# KiCad board panel_r0.1.kicad_pcb (continued)
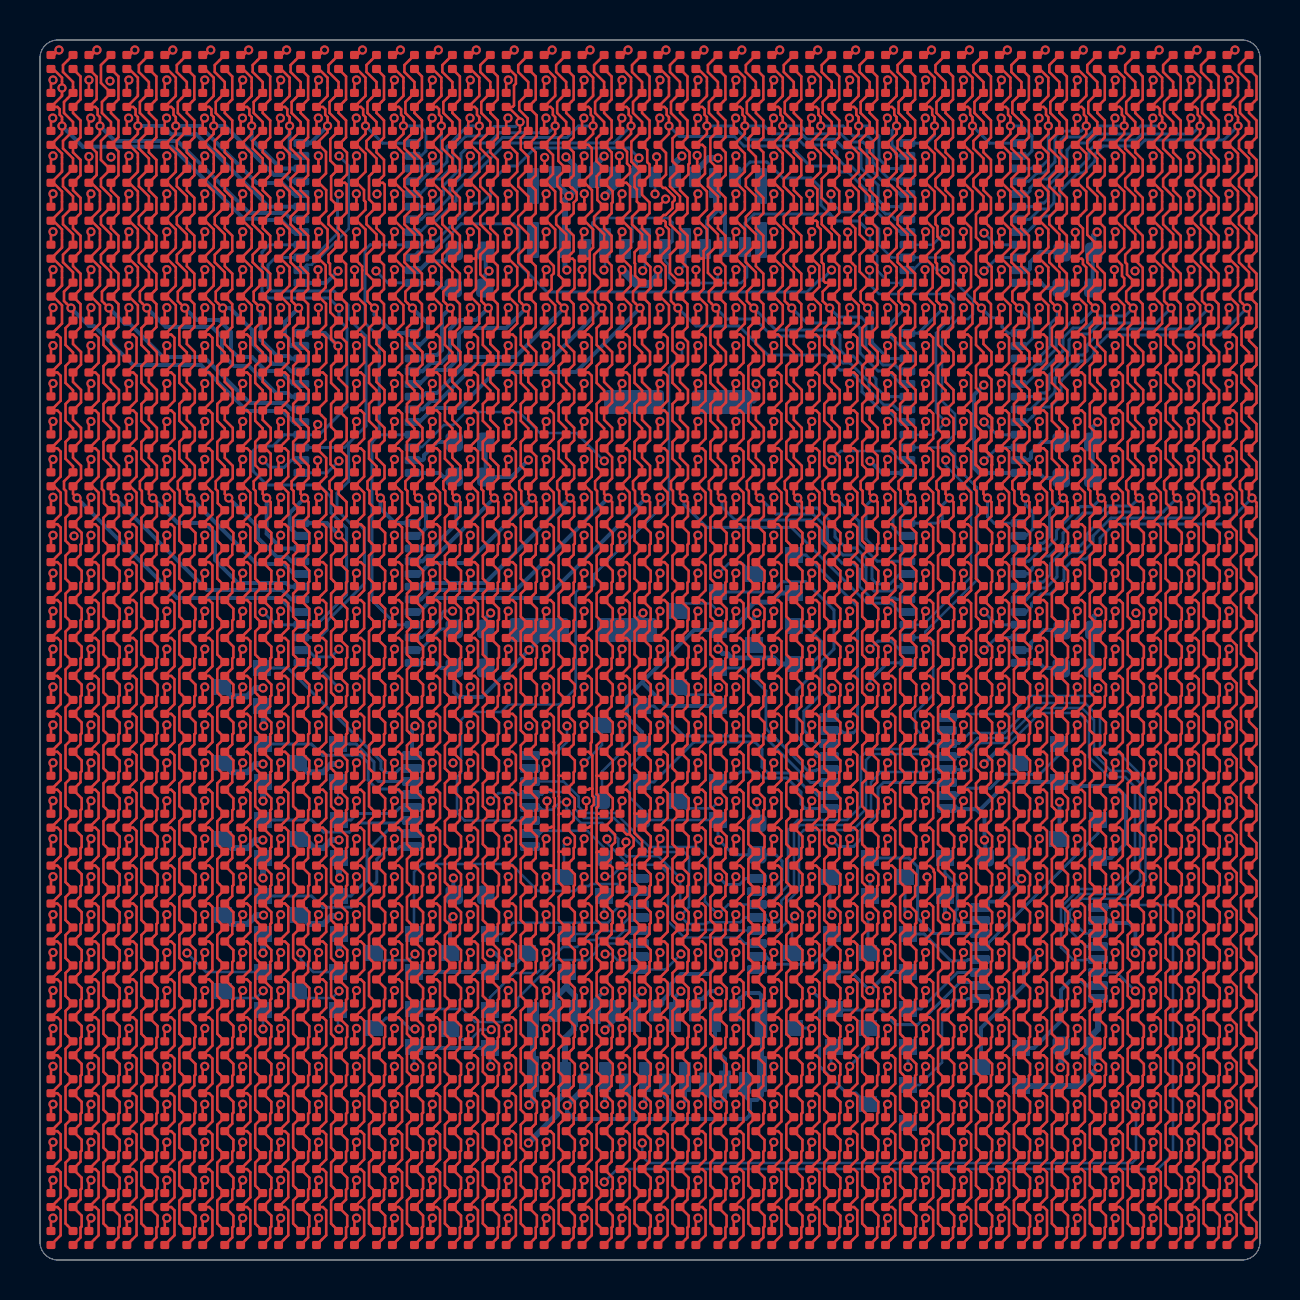
[diagram p0: board, top side]
## Routing (per net, layer and track width the routed paths; a pad name or vN(x,y) marks a point on that pad's centre or on a via; arc(x,y) is an arc through that point) (continued)
COL_RA1: length 80.9
  Top w0.127: D994.2 3.17,1.82 3.17,2.97 D962.2 3.17,3.72 3.17,4.87 D930.2 3.17,5.62 3.17,6.77 D898.2 3.17,7.51 3.17,8.66 D866.2 3.17,9.41 3.17,10.56 D834.2 3.17,11.31 3.17,12.46 D802.2 3.17,13.2 3.17,14.35 D770.2 3.17,15.1 3.17,16.25 D738.2 3.17,17 3.17,18.15 D706.2 3.17,18.89 3.17,20.04 D674.2 3.17,20.79 3.17,21.94 D642.2 3.17,22.69 3.17,23.84 D610.2 3.17,24.58 3.17,25.73 D578.2 3.17,26.48 3.17,27.63 D546.2 3.17,28.38 3.17,29.53 D514.2 3.17,30.27 3.17,31.42 D482.2 3.17,32.17 3.17,33.32 D450.2 3.17,34.07 3.17,35.22 D418.2 3.17,35.96 3.17,37.11 D386.2 3.2,37.84 3.2,38.45 3.1,38.55 3.1,38.93 D354.2 3.55,39.69 3.17,40.06 3.17,40.91 D322.2 3.55,41.58 3.17,41.96 3.17,42.8 D290.2 3.55,43.48 3.17,43.85 3.17,44.7 D258.2 3.55,45.38 3.17,45.75 3.17,46.6 D226.2 3.55,47.5 v1(3.45,47.6) 3.1,47.95 3.1,48.42 D194.2 3.55,49.39 3.05,49.89 3.05,50.26 D162.2 3.55,51.28 3.05,51.78 3.05,52.16 D130.2 3.55,53.18 3.05,53.68 3.05,54.06 D98.2 3.49,54.56 3.05,55 3.05,55.95 D66.2 3.55,56.9 3.1,57.35 3.1,57.9 D34.2 3.05,58.85 3.05,59.75 D2.2
  Bottom w0.2: v1(3.45,47.6) 4.25,46.8 4.5,46.8 6.15,45.15 8.19,45.15 10.49,42.85 12.25,42.85 12.57,42.53 U7.6
COL_RA2: length 79.2
  Top w0.127: D3.2 4.94,59.75 4.94,59.4 5.44,58.9 5.44,58.66 5.44,58.65 D35.2 4.99,57.9 4.99,57.35 5.44,56.9 D67.2 4.94,55.95 4.94,55.58 5.44,55.08 D99.2 4.94,54.06 4.94,53.68 5.44,53.18 D131.2 4.94,52.16 4.94,51.78 5.44,51.28 D163.2 4.94,50.26 4.94,49.89 5.44,49.39 D195.2 4.99,48.42 4.99,47.95 v1(5.34,47.6) 5.44,47.5 D227.2 5.07,46.6 5.07,45.75 5.44,45.38 D259.2 5.07,44.7 5.07,43.85 5.44,43.48 D291.2 5.07,42.8 5.07,41.96 5.44,41.58 D323.2 5.07,40.91 5.07,40.06 5.44,39.69 D355.2 4.99,38.93 4.99,38.55 5.09,38.45 5.09,37.84 D387.2 5.07,37.11 5.07,35.96 D419.2 5.07,35.22 5.07,34.07 D451.2 5.07,33.32 5.07,32.17 D483.2 5.07,31.42 5.07,30.27 D515.2 5.07,29.53 5.07,28.38 D547.2 5.07,27.63 5.07,26.48 D579.2 5.07,25.73 5.07,24.58 D611.2 5.07,23.84 5.07,22.69 D643.2 5.07,21.94 5.07,20.79 D675.2 5.07,20.04 5.07,18.89 D707.2 5.07,18.15 5.07,17 D739.2 5.07,16.25 5.07,15.1 D771.2 5.07,14.35 5.07,13.2 D803.2 5.07,12.46 5.07,11.31 D835.2 5.07,10.56 5.07,9.41 D867.2 5.07,8.66 5.07,7.51 D899.2 5.07,6.77 5.07,5.62 D931.2 5.07,4.87 5.07,3.72 D963.2 5.07,2.97 5.07,1.82 D995.2
  Bottom w0.2: v1(5.34,47.6) 6.29,46.65 8.6,46.65 9.1,46.15 9.1,45.3 9.7,44.7 10.45,44.7 11.8,43.35 12.39,43.35 12.57,43.17 U7.7
COL_RA3: length 77.1
  Top w0.127: D4.2 6.84,59.75 6.84,59.4 7.34,58.9 7.34,58.66 7.34,58.65 D36.2 6.89,57.9 6.89,57.35 7.34,56.9 D68.2 6.84,55.95 6.84,55.58 7.34,55.08 D100.2 6.84,54.06 6.84,53.68 7.34,53.18 D132.2 6.84,52.16 6.84,51.78 7.34,51.28 D164.2 6.84,50.26 6.84,49.89 7.34,49.39 D196.2 6.89,48.42 6.89,47.95 v1(7.24,47.6) 7.34,47.5 D228.2 6.97,46.6 6.97,45.75 7.34,45.38 D260.2 6.97,44.7 6.97,43.85 7.34,43.48 D292.2 6.97,42.8 6.97,41.96 7.34,41.58 D324.2 6.97,40.91 6.97,40.06 7.34,39.69 D356.2 6.89,38.93 6.89,38.55 6.99,38.45 6.99,37.84 D388.2 6.97,37.11 6.97,35.96 D420.2 6.97,35.22 6.97,34.07 D452.2 6.97,33.32 6.97,32.17 D484.2 6.97,31.42 6.97,30.27 D516.2 6.97,29.53 6.97,28.38 D548.2 6.97,27.63 6.97,26.48 D580.2 6.97,25.73 6.97,24.58 D612.2 6.97,23.84 6.97,22.69 D644.2 6.97,21.94 6.97,20.79 D676.2 6.97,20.04 6.97,18.89 D708.2 6.97,18.15 6.97,17 D740.2 6.97,16.25 6.97,15.1 D772.2 6.97,14.35 6.97,13.2 D804.2 6.97,12.46 6.97,11.31 D836.2 6.97,10.56 6.97,9.41 D868.2 6.97,8.66 6.97,7.51 D900.2 6.97,6.77 6.97,5.62 D932.2 6.97,4.87 6.97,3.72 D964.2 6.97,2.97 6.97,1.82 D996.2
  Bottom w0.2: U7.8 12.65,43.8 12,44.45 11.3,44.45 10.6,45.15 9.9,45.15 9.55,45.5 9.55,46.4 8.95,47 7.84,47 v1(7.24,47.6)
COL_RA4: length 74.7
  Top w0.127: D5.2 8.74,59.75 8.74,59.4 9.24,58.9 9.24,58.66 9.24,58.65 D37.2 8.79,57.9 8.79,57.35 9.24,56.9 D69.2 8.74,55.95 8.74,55.58 9.24,55.08 D101.2 8.74,54.06 8.74,53.68 9.24,53.18 D133.2 8.74,52.16 8.74,51.78 9.24,51.28 D165.2 8.74,50.26 8.74,49.89 9.24,49.39 D197.2 8.79,48.42 8.79,47.95 v1(9.14,47.6) 9.24,47.5 D229.2 8.86,46.6 8.86,45.75 9.24,45.38 D261.2 8.86,44.7 8.86,43.85 9.24,43.48 D293.2 8.86,42.8 8.86,41.96 9.24,41.58 D325.2 8.86,40.91 8.86,40.06 9.24,39.69 D357.2 8.79,38.93 8.79,38.55 8.89,38.45 8.89,37.84 D389.2 8.86,37.11 8.86,35.96 D421.2 8.86,35.22 8.86,34.07 D453.2 8.86,33.32 8.86,32.17 D485.2 8.86,31.42 8.86,30.27 D517.2 8.86,29.53 8.86,28.38 D549.2 8.86,27.63 8.86,26.48 D581.2 8.86,25.73 8.86,24.58 D613.2 8.86,23.84 8.86,22.69 D645.2 8.86,21.94 8.86,20.79 D677.2 8.86,20.04 8.86,18.89 D709.2 8.86,18.15 8.86,17 D741.2 8.86,16.25 8.86,15.1 D773.2 8.86,14.35 8.86,13.2 D805.2 8.86,12.46 8.86,11.31 D837.2 8.86,10.56 8.86,9.41 D869.2 8.86,8.66 8.86,7.51 D901.2 8.86,6.77 8.86,5.62 D933.2 8.86,4.87 8.86,3.72 D965.2 8.86,2.97 8.86,1.82 D997.2
  Bottom w0.2: U7.9 12.56,44.44 12.2,44.8 11.65,44.8 10.6,45.85 10.6,46.5 9.5,47.6 v1(9.14,47.6)
COL_RA5: length 73.1
  Top w0.127: D6.2 10.63,59.75 10.63,59.4 11.13,58.9 11.13,58.66 11.14,58.65 D38.2 10.68,57.9 10.68,57.35 11.14,56.9 D70.2 10.63,55.95 10.63,55.58 11.14,55.08 D102.2 10.63,54.06 10.63,53.68 11.14,53.18 D134.2 10.63,52.16 10.63,51.78 11.14,51.28 D166.2 10.63,50.26 10.63,49.89 11.14,49.39 D198.2 10.68,48.42 10.68,47.95 v1(11.03,47.6) 11.14,47.5 D230.2 10.76,46.6 10.76,45.75 11.14,45.38 D262.2 10.76,44.7 10.76,43.85 11.14,43.48 D294.2 10.76,42.8 10.76,41.96 11.14,41.58 D326.2 10.76,40.91 10.76,39.74 11.12,39.38 D358.2 10.68,38.93 10.68,38.55 10.78,38.45 10.78,37.84 D390.2 10.76,37.11 10.76,35.96 D422.2 10.76,35.22 10.76,34.07 D454.2 10.76,33.32 10.76,32.17 D486.2 10.76,31.42 10.76,30.27 D518.2 10.76,29.53 10.76,28.38 D550.2 10.76,27.63 10.76,26.48 D582.2 10.76,25.73 10.76,24.58 D614.2 10.76,23.84 10.76,22.69 D646.2 10.76,21.94 10.76,20.79 D678.2 10.76,20.04 10.76,18.89 D710.2 10.76,18.15 10.76,17 D742.2 10.76,16.25 10.76,15.1 D774.2 10.76,14.35 10.76,13.2 D806.2 10.76,12.46 10.76,11.31 D838.2 10.76,10.56 10.76,9.41 D870.2 10.76,8.66 10.76,7.51 D902.2 10.76,6.77 10.76,5.62 D934.2 10.76,4.87 10.76,3.72 D966.2 10.76,2.97 10.76,1.82 D998.2
  Bottom w0.2: v1(11.03,47.6) 11.03,46.02 11.85,45.2 12.44,45.2 12.57,45.07 U7.10
COL_RA6: length 71.9
  Top w0.127: D7.2 12.53,59.75 12.53,59.4 13.03,58.9 13.03,58.66 13.03,58.65 D39.2 12.58,57.9 12.58,57.35 13.03,56.9 D71.2 12.53,55.95 12.53,55.58 13.03,55.08 D103.2 12.53,54.06 12.53,53.68 13.03,53.18 D135.2 12.53,52.16 12.53,51.78 13.03,51.28 D167.2 12.53,50.26 12.53,49.89 13.03,49.39 D199.2 12.58,48.42 12.58,47.95 v1(12.93,47.6) 13.03,47.5 D231.2 12.66,46.6 12.66,45.75 13.03,45.38 D263.2 12.66,44.7 12.66,43.85 13.03,43.48 D295.2 12.66,42.8 12.66,41.96 13.03,41.58 D327.2 12.66,40.91 12.66,40.06 13.03,39.69 D359.2 12.58,38.93 12.58,38.55 12.68,38.45 12.68,37.84 D391.2 12.66,37.11 12.66,35.96 D423.2 12.66,35.22 12.66,34.07 D455.2 12.66,33.32 12.66,32.17 D487.2 12.66,31.42 12.66,30.27 D519.2 12.66,29.53 12.66,28.38 D551.2 12.66,27.63 12.66,26.48 D583.2 12.66,25.73 12.66,24.58 D615.2 12.66,23.84 12.66,22.69 D647.2 12.66,21.94 12.66,20.79 D679.2 12.66,20.04 12.66,18.89 D711.2 12.66,18.15 12.66,17 D743.2 12.66,16.25 12.66,15.1 D775.2 12.66,14.35 12.66,13.2 D807.2 12.66,12.46 12.66,11.31 D839.2 12.66,10.56 12.66,9.41 D871.2 12.66,8.66 12.66,7.51 D903.2 12.66,6.77 12.66,5.62 D935.2 12.66,4.87 12.66,3.72 D967.2 12.66,2.97 12.66,1.82 D999.2
  Bottom w0.2: U7.11 12.57,45.71 12.45,45.83 12.45,46.05 12.25,46.25 12.25,46.92 v1(12.93,47.6)
COL_RA7: length 70.9
  Top w0.127: D8.2 14.43,59.75 14.43,59.4 14.93,58.9 14.93,58.66 14.93,58.65 D40.2 14.48,57.9 14.48,57.35 14.93,56.9 D72.2 14.52,56.04 14.52,54.97 D104.2 14.55,54.18 14.55,53.04 D136.2 14.43,52.16 14.43,51.78 14.93,51.28 D168.2 14.43,50.26 14.43,49.89 14.5,49.81 14.5,49.3 D200.2 14.52,48.46 14.52,47.38 D232.2 ; D1000.2 14.55,1.82 14.55,2.97 D968.2 14.55,3.72 14.55,4.87 D936.2 14.55,5.62 14.55,6.77 D904.2 14.55,7.51 14.55,8.66 D872.2 14.55,9.41 14.55,10.56 D840.2 14.55,11.31 14.55,12.46 D808.2 14.55,13.2 14.55,14.35 D776.2 14.55,15.1 14.55,16.25 D744.2 14.55,17 14.55,18.15 D712.2 14.55,18.89 14.55,20.04 D680.2 14.55,20.79 14.55,21.94 D648.2 14.55,22.69 14.55,23.84 D616.2 14.55,24.58 14.55,25.73 D584.2 14.55,26.48 14.55,27.63 D552.2 14.55,28.38 14.55,29.53 D520.2 14.55,30.27 14.55,31.42 D488.2 14.55,32.17 14.55,33.32 D456.2 14.55,34.07 14.55,35.22 D424.2 14.55,35.96 14.55,37.11 D392.2 14.58,37.84 14.58,38.45 14.48,38.55 14.48,38.93 D360.2 14.53,39.79 14.53,40.88 D328.2 14.55,41.65 14.55,42.8 D296.2 14.93,43.48 14.55,43.85 14.55,44.7 D264.2 14.93,45.67 v1(14.9,45.7) 14.55,46.05 14.55,46.6 14.83,46.87
  Bottom w0.2: v1(14.9,45.7) 14.26,46.34 U7.12
COL_RA8: length 71.7
  Top w0.127: D9.2 16.32,59.75 16.32,59.4 16.82,58.9 16.82,58.66 16.83,58.65 D41.2 16.37,57.9 16.37,57.35 16.83,56.9 D73.2 16.32,55.95 16.32,55.58 16.83,55.08 D105.2 16.45,54.18 16.45,53.04 D137.2 16.32,52.16 16.32,51.78 16.83,51.28 D169.2 16.32,50.26 16.32,49.33 16.78,48.87 D201.2 16.37,48.42 16.37,47.95 v1(16.72,47.6) 16.83,47.5 D233.2 16.45,46.6 16.45,45.75 16.83,45.38 D265.2 16.45,44.7 16.45,43.85 16.83,43.48 D297.2 16.45,42.8 16.45,41.96 16.83,41.58 D329.2 16.45,40.91 16.45,40.06 16.83,39.69 D361.2 16.37,38.93 16.37,38.55 16.47,38.45 16.47,37.84 D393.2 16.45,37.11 16.45,35.96 D425.2 16.45,35.22 16.45,34.07 D457.2 16.45,33.32 16.45,32.17 D489.2 16.45,31.42 16.45,30.27 D521.2 16.45,29.53 16.45,28.38 D553.2 16.45,27.63 16.45,26.48 D585.2 16.45,25.73 16.45,24.58 D617.2 16.45,23.84 16.45,22.69 D649.2 16.45,21.94 16.45,20.79 D681.2 16.45,20.04 16.45,18.89 D713.2 16.45,18.15 16.45,17 D745.2 16.45,16.25 16.45,15.1 D777.2 16.45,14.35 16.45,13.2 D809.2 16.45,12.46 16.45,11.31 D841.2 16.45,10.56 16.45,9.41 D873.2 16.45,8.66 16.45,7.51 D905.2 16.45,6.77 16.45,5.62 D937.2 16.45,4.87 16.45,3.72 D969.2 16.45,2.97 16.45,1.82 D1001.2
  Bottom w0.2: U7.13 17.66,46.34 16.72,47.27 v1(16.72,47.6)
COL_RA9: length 71.8
  Top w0.127: D10.2 18.22,59.75 18.22,59.4 18.72,58.9 18.72,58.66 18.72,58.65 D42.2 18.27,57.9 18.27,57.35 18.72,56.9 D74.2 18.22,55.95 18.22,55.58 18.72,55.08 D106.2 18.22,54.06 18.22,53.68 18.72,53.18 D138.2 18.22,52.16 18.22,51.78 18.72,51.28 D170.2 18.22,50.26 18.22,49.89 18.72,49.39 D202.2 18.27,48.42 18.27,47.95 v1(18.62,47.6) 18.72,47.5 D234.2 18.35,46.6 18.35,45.75 18.72,45.38 D266.2 18.35,44.7 18.35,43.85 18.72,43.48 D298.2 18.35,42.8 18.35,41.96 18.72,41.58 D330.2 18.35,40.91 18.35,40.06 18.72,39.69 D362.2 18.27,38.93 18.27,38.55 18.37,38.45 18.37,37.84 D394.2 18.35,37.11 18.35,35.96 D426.2 18.35,35.22 18.35,34.07 D458.2 18.35,33.32 18.35,32.17 D490.2 18.35,31.42 18.35,30.27 D522.2 18.35,29.53 18.35,28.38 D554.2 18.35,27.63 18.35,26.48 D586.2 18.35,25.73 18.35,24.58 D618.2 18.35,23.84 18.35,22.69 D650.2 18.35,21.94 18.35,20.79 D682.2 18.35,20.04 18.35,18.89 D714.2 18.35,18.15 18.35,17 D746.2 18.35,16.25 18.35,15.1 D778.2 18.35,14.35 18.35,13.2 D810.2 18.35,12.46 18.35,11.31 D842.2 18.35,10.56 18.35,9.41 D874.2 18.35,8.66 18.35,7.51 D906.2 18.35,6.77 18.35,5.62 D938.2 18.35,4.87 18.35,3.72 D970.2 18.35,2.97 18.35,1.82 D1002.2
  Bottom w0.2: v1(18.62,47.6) 19.4,46.82 19.4,46.15 18.96,45.71 U7.14
COL_RA10: length 73
  Top w0.127: D11.2 20.12,59.75 20.12,59.4 20.62,58.9 20.62,58.66 20.62,58.65 D43.2 20.17,57.9 20.17,57.35 20.62,56.9 D75.2 20.12,55.95 20.12,55.58 20.62,55.08 D107.2 20.12,54.06 20.12,53.68 20.62,53.18 D139.2 20.12,52.16 20.12,51.78 20.62,51.28 D171.2 20.12,50.26 20.12,49.89 20.62,49.39 D203.2 20.17,48.42 20.17,47.95 v1(20.52,47.6) 20.62,47.5 D235.2 20.25,46.6 20.25,45.75 20.62,45.38 D267.2 20.25,44.7 20.25,43.85 20.62,43.48 D299.2 20.25,42.8 20.25,41.96 20.62,41.58 D331.2 20.25,40.91 20.25,40.06 20.62,39.69 D363.2 20.17,38.93 20.17,38.55 20.27,38.45 20.27,37.84 D395.2 20.25,37.11 20.25,35.96 D427.2 20.25,35.22 20.25,34.07 D459.2 20.25,33.32 20.25,32.17 D491.2 20.25,31.42 20.25,30.27 D523.2 20.25,29.53 20.25,28.38 D555.2 20.25,27.63 20.25,26.48 D587.2 20.25,25.73 20.25,24.58 D619.2 20.25,23.84 20.25,22.69 D651.2 20.25,21.94 20.25,20.79 D683.2 20.25,20.04 20.25,18.89 D715.2 20.25,18.15 20.25,17 D747.2 20.25,16.25 20.25,15.1 D779.2 20.25,14.35 20.25,13.2 D811.2 20.25,12.46 20.25,11.31 D843.2 20.25,10.56 20.25,9.41 D875.2 20.25,8.66 20.25,7.51 D907.2 20.25,6.77 20.25,5.62 D939.2 20.25,4.87 20.25,3.72 D971.2 20.25,2.97 20.25,1.82 D1003.2
  Bottom w0.2: v1(20.52,47.6) 20.1,47.18 20.1,45.5 19.85,45.25 19.31,45.25 19.13,45.07 U7.15
COL_RA11: length 75
  Top w0.127: D1004.2 22.14,1.82 22.14,2.97 D972.2 22.14,3.72 22.14,4.87 D940.2 22.14,5.62 22.14,6.77 D908.2 22.14,7.51 22.14,8.66 D876.2 22.14,9.41 22.14,10.56 D844.2 22.14,11.31 22.14,12.46 D812.2 22.14,13.2 22.14,14.35 D780.2 22.14,15.1 22.14,16.25 D748.2 22.14,17 22.14,18.15 D716.2 22.14,18.89 22.14,20.04 D684.2 22.14,20.79 22.14,21.94 D652.2 22.14,22.69 22.14,23.84 D620.2 22.14,24.58 22.14,25.73 D588.2 22.14,26.48 22.14,27.63 D556.2 22.14,28.38 22.14,29.53 D524.2 22.14,30.27 22.14,31.42 D492.2 22.14,32.17 22.14,33.32 D460.2 22.14,34.07 22.14,35.22 D428.2 22.14,35.96 22.14,37.11 D396.2 22.16,37.84 22.16,38.45 22.06,38.55 22.06,38.93 D364.2 22.52,39.69 22.14,40.06 22.14,40.91 D332.2 22.52,41.58 22.14,41.96 22.14,42.8 D300.2 22.52,43.48 22.14,43.85 22.14,44.7 D268.2 22.52,45.38 22.14,45.75 22.14,46.6 D236.2 22.52,47.5 v1(22.41,47.6) 22.06,47.95 22.06,48.42 D204.2 22.43,48.87 22.01,49.29 22.01,50.26 D172.2 22.52,51.28 22.01,51.78 22.01,52.16 D140.2 22.52,53.18 22.01,53.68 22.01,54.06 D108.2 22.52,55.08 22.01,55.58 22.01,55.95 D76.2 22.52,56.9 22.06,57.35 22.06,57.9 D44.2 22.52,58.65 22.51,58.66 22.51,58.9 22.01,59.4 22.01,59.75 D12.2
  Bottom w0.2: v1(22.41,47.6) 21.81,47 20.95,47 20.5,46.55 20.5,45.3 20.05,44.85 19.54,44.85 19.13,44.44 U7.16
COL_RA12: length 77
  Top w0.127: D1005.2 24.04,1.82 24.04,2.97 D973.2 24.04,3.72 24.04,4.87 D941.2 24.04,5.62 24.04,6.77 D909.2 24.04,7.51 24.04,8.66 D877.2 24.04,9.41 24.04,10.56 D845.2 24.04,11.31 24.04,12.46 D813.2 24.04,13.2 24.04,14.35 D781.2 24.04,15.1 24.04,16.25 D749.2 24.04,17 24.04,18.15 D717.2 24.04,18.89 24.04,20.04 D685.2 24.04,20.79 24.04,21.94 D653.2 24.04,22.69 24.04,23.84 D621.2 24.04,24.58 24.04,25.73 D589.2 24.04,26.48 24.04,27.63 D557.2 24.04,28.38 24.04,29.53 D525.2 24.04,30.27 24.04,31.42 D493.2 24.04,32.17 24.04,33.32 D461.2 24.04,34.07 24.04,35.22 D429.2 24.04,35.96 24.04,37.11 D397.2 24.06,37.84 24.06,38.45 23.96,38.55 23.96,38.93 D365.2 24.37,39.38 24.04,39.71 24.04,40.91 D333.2 24.41,41.58 24.04,41.96 24.04,42.8 D301.2 24.41,43.48 24.04,43.85 24.04,44.7 D269.2 24.41,45.38 24.04,45.75 24.04,46.6 D237.2 24.41,47.5 v1(24.31,47.6) 23.96,47.95 23.96,48.42 D205.2 24.41,49.39 23.91,49.89 23.91,50.26 D173.2 24.41,51.28 23.91,51.78 23.91,52.16 D141.2 24.41,53.18 23.91,53.68 23.91,54.06 D109.2 24.41,55.16 24.04,55.54 24.04,56.08 D77.2 ; 24.38,56.43 24.38,57.08 23.96,57.5 23.96,57.9 24.41,58.35 24.41,58.9 23.91,59.4 23.91,59.75 D13.2
  Bottom w0.2: U7.17 18.97,43.8 19.67,44.5 20.35,44.5 20.95,45.1 20.95,46.3 21.25,46.6 23.31,46.6 v1(24.31,47.6)
COL_RA13: length 78.5
  Top w0.127: D14.2 25.81,59.75 25.81,59.4 26.31,58.9 26.31,58.66 26.31,58.65 D46.2 25.86,57.9 25.86,57.35 26.31,56.9 D78.2 25.92,56.06 25.92,54.95 D110.2 25.87,54.12 25.87,53.71 26.05,53.53 26.05,52.92 D142.2 25.81,52.16 25.81,51.78 26.31,51.28 D174.2 25.94,50.39 25.94,49.24 D206.2 25.86,48.42 25.86,47.95 v1(26.21,47.6) 26.31,47.5 D238.2 25.94,46.6 25.94,45.75 26.31,45.38 D270.2 25.94,44.7 25.94,43.85 26.31,43.48 D302.2 25.94,42.8 25.94,41.96 26.31,41.58 D334.2 25.94,40.91 25.94,40.06 26.31,39.69 D366.2 25.86,38.93 25.86,38.55 25.96,38.45 25.96,37.84 D398.2 25.94,37.11 25.94,35.96 D430.2 25.94,35.22 25.94,34.07 D462.2 25.94,33.32 25.94,32.17 D494.2 25.94,31.42 25.94,30.27 D526.2 25.94,29.53 25.94,28.38 D558.2 25.94,27.63 25.94,26.48 D590.2 25.94,25.73 25.94,24.24 ; 25.94,22.26 25.94,20.41 ; 25.94,22.26 25.94,22.59 25.95,22.6 25.95,23.17 25.94,23.19 25.94,24.24 ; 25.94,22.26 25.98,22.31 D654.2 ; 25.94,20.41 25.94,18.89 D718.2 25.94,18.15 25.94,17 D750.2 25.94,16.25 25.94,15.1 D782.2 25.94,14.35 25.94,13.2 D814.2 25.94,12.46 25.94,11.31 D846.2 25.94,10.56 25.94,9.41 D878.2 25.94,8.66 25.94,7.51 D910.2 25.94,6.77 25.94,5.62 D942.2 25.94,4.87 25.94,3.72 D974.2 25.94,2.97 25.94,1.82 D1006.2 ; 25.94,20.41 25.94,20.42 D686.2 ; 25.94,24.24 25.96,24.21 D622.2
  Bottom w0.2: v1(26.21,47.6) 23.76,45.15 21.65,45.15 19.85,43.35 19.31,43.35 19.13,43.17 U7.18
COL_RA14: length 80.8
  Top w0.127: D15.2 27.7,59.75 27.7,59.4 28.2,58.9 28.2,58.66 28.21,58.65 D47.2 27.75,57.9 27.75,57.35 28.21,56.9 D79.2 27.82,56.07 27.82,54.94 D111.2 27.83,54.18 27.83,53.64 27.87,53.61 27.87,53 D143.2 27.7,52.16 27.7,51.78 28.21,51.28 D175.2 27.7,50.26 27.7,49.34 28.18,48.87 D207.2 27.75,48.42 27.75,47.95 v1(28.1,47.6) 28.21,47.5 D239.2 27.83,46.6 27.83,45.75 28.21,45.38 D271.2 27.83,44.7 27.83,43.85 28.21,43.48 D303.2 27.83,42.8 27.83,41.96 28.21,41.58 D335.2 27.83,40.91 27.83,39.67 28.12,39.38 D367.2 27.75,38.93 27.75,38.55 27.85,38.45 27.85,37.84 D399.2 27.83,37.11 27.83,35.96 D431.2 27.83,35.22 27.83,34.07 D463.2 27.83,33.32 27.83,32.17 D495.2 27.83,31.42 27.83,30.27 D527.2 27.83,29.53 27.83,28.38 D559.2 27.83,27.63 27.83,26.48 D591.2 27.83,25.73 27.83,24.22 ; 27.83,22.28 27.85,22.28 27.88,22.31 D655.2 ; 27.83,22.28 27.83,20.38 ; 27.83,22.28 27.83,22.61 27.91,22.69 27.91,23.22 27.83,23.29 27.83,24.22 ; 27.83,24.22 27.84,24.21 D623.2 ; D1007.2 27.83,1.82 27.83,2.97 D975.2 27.83,3.72 27.83,4.87 D943.2 27.83,5.62 27.83,6.77 D911.2 27.83,7.51 27.83,8.66 D879.2 27.83,9.41 27.83,10.56 D847.2 27.83,11.31 27.83,12.46 D815.2 27.83,13.2 27.83,14.35 D783.2 27.83,15.1 27.83,16.25 D751.2 27.83,17 27.83,18.15 D719.2 27.83,18.89 27.83,20.38 ; D687.2 27.88,20.42 27.85,20.38 27.83,20.38
  Bottom w0.2: v1(28.1,47.6) 25.3,44.8 21.8,44.8 19.95,42.95 19.55,42.95 19.13,42.53 U7.19
COL_RA15: length 82.8
  Top w0.127: D16.2 29.6,59.75 29.6,59.4 30.1,58.9 30.1,58.66 30.1,58.65 D48.2 29.65,57.9 29.65,57.35 30.1,56.9 D80.2 29.57,55.92 29.57,54.92 29.93,54.56 D112.2 29.73,54.18 29.73,53.64 29.84,53.53 29.84,52.92 D144.2 29.6,52.16 29.6,51.78 30.1,51.28 D176.2 29.73,50.39 29.73,49.85 29.75,49.82 29.75,49.22 D208.2 29.65,48.42 29.65,47.95 v1(30,47.6) 30.1,47.5 D240.2 29.73,46.6 29.73,45.75 30.1,45.38 D272.2 29.73,44.7 29.73,43.85 30.1,43.48 D304.2 29.73,42.8 29.73,41.96 30.1,41.58 D336.2 29.73,40.91 29.73,40.06 30.1,39.69 D368.2 29.65,38.93 29.65,38.55 29.75,38.45 29.75,37.84 D400.2 29.73,37.11 29.73,35.96 D432.2 29.73,35.22 29.73,34.07 D464.2 29.73,33.32 29.73,32.17 D496.2 29.73,31.42 29.73,30.27 D528.2 29.73,29.53 29.73,28.38 D560.2 29.73,27.63 29.73,26.48 D592.2 29.73,25.73 29.73,24.58 D624.2 29.73,23.84 29.73,22.33 ; 29.73,22.33 29.73,21.34 30.1,20.97 D688.2 29.73,20.04 29.73,18.89 D720.2 29.73,18.15 29.73,17 D752.2 29.73,16.25 29.73,15.1 D784.2 29.73,14.35 29.73,13.2 D816.2 29.73,12.46 29.73,11.31 D848.2 29.73,10.56 29.73,9.41 D880.2 29.73,8.66 29.73,7.51 D912.2 29.73,6.77 29.73,5.62 D944.2 29.73,4.87 29.73,3.72 D976.2 29.73,2.97 29.73,1.82 D1008.2 ; 29.73,22.33 29.74,22.31 D656.2
  Bottom w0.2: U7.20 18.97,41.9 19.67,42.6 20.95,42.6 22.75,44.4 26.8,44.4 v1(30,47.6)
COL_RA16: length 83.1
  Top w0.127: D17.2 31.5,59.75 31.5,59.4 32,58.9 32,58.66 32,58.65 D49.2 31.55,57.9 31.55,57.35 32,56.9 D81.2 31.63,56.08 31.63,54.93 D113.2 31.5,54.06 31.5,53.68 32,53.18 D145.2 31.5,52.16 31.5,51.78 32,51.28 D177.2 31.5,50.26 31.5,49.35 31.98,48.87 D209.2 31.55,48.42 31.55,47.95 v1(31.9,47.6) 32,47.5 D241.2 31.63,46.6 31.63,45.47 32,45.1 D273.2 31.63,44.7 31.63,43.85 32,43.48 D305.2 31.63,42.8 31.63,41.96 32,41.58 D337.2 31.63,40.91 31.63,40.06 32,39.69 D369.2 31.55,38.93 31.55,38.55 31.65,38.45 31.65,37.84 D401.2 31.63,37.11 31.63,35.96 D433.2 31.63,35.22 31.63,34.07 D465.2 31.63,33.32 31.63,32.17 D497.2 31.63,31.42 31.63,30.27 D529.2 31.63,29.53 31.63,28.38 D561.2 31.63,27.63 31.63,26.48 D593.2 31.63,25.73 31.63,24.58 D625.2 31.63,23.84 31.63,22.69 D657.2 31.63,21.94 31.63,20.79 D689.2 31.63,20.04 31.63,18.89 D721.2 31.63,18.15 31.63,17 D753.2 31.63,16.25 31.63,15.1 D785.2 31.63,14.35 31.63,13.2 D817.2 31.63,12.46 31.63,11.31 D849.2 31.63,10.56 31.63,9.41 D881.2 31.63,8.66 31.63,7.51 D913.2 31.63,6.77 31.63,5.62 D945.2 31.63,4.87 31.63,3.72 D977.2 31.63,2.97 31.63,1.82 D1009.2
  Bottom w0.15: U8.5 43,41.9 42.73,42.17 42.72,42.17 42.49,42.4 42.11,42.4 41.1,43.41 41.1,43.85 40.45,44.5 40,44.5 39.25,45.25 36.4,45.25 34.95,46.7 32.8,46.7 v1(31.9,47.6)
COL_RA17: length 81.3
  Top w0.127: D18.2 33.4,59.75 33.4,59.4 33.9,58.9 33.9,58.66 33.9,58.65 D50.2 33.45,57.9 33.45,57.35 33.9,56.9 D82.2 33.52,56.08 33.52,54.94 D114.2 33.4,54.06 33.4,53.68 33.9,53.18 D146.2 33.4,52.16 33.4,51.78 33.9,51.28 D178.2 33.4,50.26 33.4,49.35 33.88,48.87 D210.2 33.45,48.42 33.45,47.95 v1(33.8,47.6) 33.9,47.5 D242.2 33.52,46.6 33.52,45.75 33.9,45.38 D274.2 33.52,44.7 33.52,43.85 33.9,43.48 D306.2 33.52,42.8 33.52,41.96 33.9,41.58 D338.2 33.52,40.91 33.52,40.06 33.9,39.69 D370.2 33.45,38.93 33.45,38.55 33.55,38.45 33.55,37.84 D402.2 33.52,37.11 33.52,35.96 D434.2 33.52,35.22 33.52,34.07 D466.2 33.52,33.32 33.52,32.17 D498.2 33.52,31.42 33.52,30.27 D530.2 33.52,29.53 33.52,28.38 D562.2 33.52,27.63 33.52,26.48 D594.2 33.52,25.73 33.52,24.58 D626.2 33.52,23.84 33.52,22.69 D658.2 33.52,21.94 33.52,20.79 D690.2 33.52,20.04 33.52,18.89 D722.2 33.52,18.15 33.52,17 D754.2 33.52,16.25 33.52,15.1 D786.2 33.52,14.35 33.52,13.2 D818.2 33.52,12.46 33.52,11.31 D850.2 33.52,10.56 33.52,9.41 D882.2 33.52,8.66 33.52,7.51 D914.2 33.52,6.77 33.52,5.62 D946.2 33.52,4.87 33.52,3.72 D978.2 33.52,2.97 33.52,1.82 D1010.2
  Bottom w0.15: v1(33.8,47.6) 34.35,47.05 35.75,47.05 36.6,46.2 39.5,46.2 39.65,46.05 39.65,45.35 40.15,44.85 40.5,44.85 41.45,43.9 41.45,43.5 42.2,42.75 42.65,42.75 42.87,42.53 U8.6
COL_RA18: length 79.2
  Top w0.127: D19.2 35.29,59.75 35.29,59.4 35.79,58.9 35.79,58.66 35.79,58.65 D51.2 35.34,57.9 35.34,57.35 35.79,56.9 D83.2 35.42,56.08 35.42,55.54 35.79,55.16 D115.2 35.29,54.06 35.29,53.68 35.79,53.18 D147.2 35.29,52.16 35.29,51.78 35.79,51.28 D179.2 35.29,50.26 35.29,49.89 35.79,49.39 D211.2 35.34,48.42 35.34,47.95 v1(35.69,47.6) 35.79,47.5 D243.2 35.42,46.6 35.42,45.75 35.79,45.38 D275.2 35.42,44.7 35.42,43.57 35.79,43.19 D307.2 35.42,42.8 35.42,41.96 35.79,41.58 D339.2 35.42,40.91 35.42,40.06 35.79,39.69 D371.2 35.34,38.93 35.34,38.55 35.44,38.45 35.44,37.84 D403.2 35.42,37.11 35.42,35.96 D435.2 35.42,35.22 35.42,34.07 D467.2 35.42,33.32 35.42,32.17 D499.2 35.42,31.42 35.42,30.27 D531.2 35.42,29.53 35.42,28.38 D563.2 35.42,27.63 35.42,26.48 D595.2 35.42,25.73 35.42,24.58 D627.2 35.42,23.84 35.42,22.69 D659.2 35.42,21.94 35.42,20.79 D691.2 35.42,20.04 35.42,18.89 D723.2 35.42,18.15 35.42,17 D755.2 35.42,16.25 35.42,15.1 D787.2 35.42,14.35 35.42,13.2 D819.2 35.42,12.46 35.42,11.31 D851.2 35.42,10.56 35.42,9.41 D883.2 35.42,8.66 35.42,7.51 D915.2 35.42,6.77 35.42,5.62 D947.2 35.42,4.87 35.42,3.72 D979.2 35.42,2.97 35.42,1.82 D1011.2
  Bottom w0.15: v1(35.69,47.6) 36.79,46.5 39.75,46.5 40,46.25 40,45.5 40.3,45.2 40.65,45.2 41.8,44.05 41.8,43.65 42.28,43.17 U8.7
COL_RA19: length 77.2
  Top w0.127: D20.2 37.19,59.75 37.19,59.4 37.69,58.9 37.69,58.66 37.69,58.65 D52.2 37.24,57.9 37.24,57.35 37.69,56.9 D84.2 37.19,55.95 37.19,55.58 37.69,55.08 D116.2 37.19,54.06 37.19,53.68 37.69,53.18 D148.2 37.19,52.16 37.19,51.78 37.69,51.28 D180.2 37.19,50.26 37.19,49.89 37.69,49.39 D212.2 37.24,48.42 37.24,47.95 v1(37.59,47.6) 37.69,47.5 D244.2 37.32,46.6 37.32,45.75 37.69,45.38 D276.2 37.32,44.7 37.32,43.85 37.69,43.48 D308.2 37.32,42.8 37.32,41.96 37.69,41.58 D340.2 37.32,40.91 37.32,40.06 37.69,39.69 D372.2 37.24,38.93 37.24,38.55 37.34,38.45 37.34,37.84 D404.2 37.32,37.11 37.32,35.96 D436.2 37.32,35.22 37.32,34.07 D468.2 37.32,33.32 37.32,32.17 D500.2 37.32,31.42 37.32,30.27 D532.2 37.32,29.53 37.32,28.38 D564.2 37.32,27.63 37.32,26.48 D596.2 37.32,25.73 37.32,24.58 D628.2 37.32,23.84 37.32,22.69 D660.2 37.32,21.94 37.32,20.79 D692.2 37.32,20.04 37.32,18.89 D724.2 37.32,18.15 37.32,17 D756.2 37.32,16.25 37.32,15.1 D788.2 37.32,14.35 37.32,13.2 D820.2 37.32,12.46 37.32,11.31 D852.2 37.32,10.56 37.32,9.41 D884.2 37.32,8.66 37.32,7.51 D916.2 37.32,6.77 37.32,5.62 D948.2 37.32,4.87 37.32,3.72 D980.2 37.32,2.97 37.32,1.82 D1012.2
  Bottom w0.15: v1(37.59,47.6) 38.34,46.85 40.75,46.85 41,46.6 41,45.35 41.9,44.45 42.4,44.45 43.05,43.8 U8.8
COL_RA20: length 75.3
  Top w0.127: D1013.2 39.21,1.82 39.21,2.97 D981.2 39.21,3.72 39.21,4.87 D949.2 39.21,5.62 39.21,6.77 D917.2 39.21,7.51 39.21,8.66 D885.2 39.21,9.41 39.21,10.56 D853.2 39.21,11.31 39.21,12.46 D821.2 39.21,13.2 39.21,14.35 D789.2 39.21,15.1 39.21,16.25 D757.2 39.21,17 39.21,18.15 D725.2 39.21,18.89 39.21,20.04 D693.2 39.21,20.79 39.21,21.94 D661.2 39.21,22.69 39.21,23.84 D629.2 39.21,24.58 39.21,25.73 D597.2 39.21,26.48 39.21,27.63 D565.2 39.21,28.38 39.21,29.53 D533.2 39.21,30.27 39.21,31.42 D501.2 39.21,32.17 39.21,33.32 D469.2 39.21,34.07 39.21,35.22 D437.2 39.21,35.96 39.21,37.11 D405.2 39.24,37.84 39.24,38.45 39.14,38.55 39.14,38.93 D373.2 39.57,39.38 39.21,39.74 39.21,40.91 D341.2 39.59,41.58 39.21,41.96 39.21,42.8 D309.2 39.59,43.48 39.21,43.85 39.21,44.7 D277.2 39.59,45.38 39.21,45.75 39.21,46.6 D245.2 39.59,47.5 v1(39.49,47.6) 39.14,47.95 39.14,48.42 D213.2 39.27,48.87 39.18,48.95 39.18,49.79 39.09,49.89 39.09,50.26 D181.2 39.59,51.28 39.09,51.78 39.09,52.16 D149.2 39.54,52.66 39.09,53.11 39.09,54.06 D117.2 39.59,55.08 39.09,55.58 39.09,55.95 D85.2 39.59,56.9 39.14,57.35 39.14,57.9 D53.2 39.59,58.65 39.59,58.66 39.59,58.9 39.09,59.4 39.09,59.75 D21.2